# Altium PCB graviton.PcbDoc (part 8 of 15) (continued)
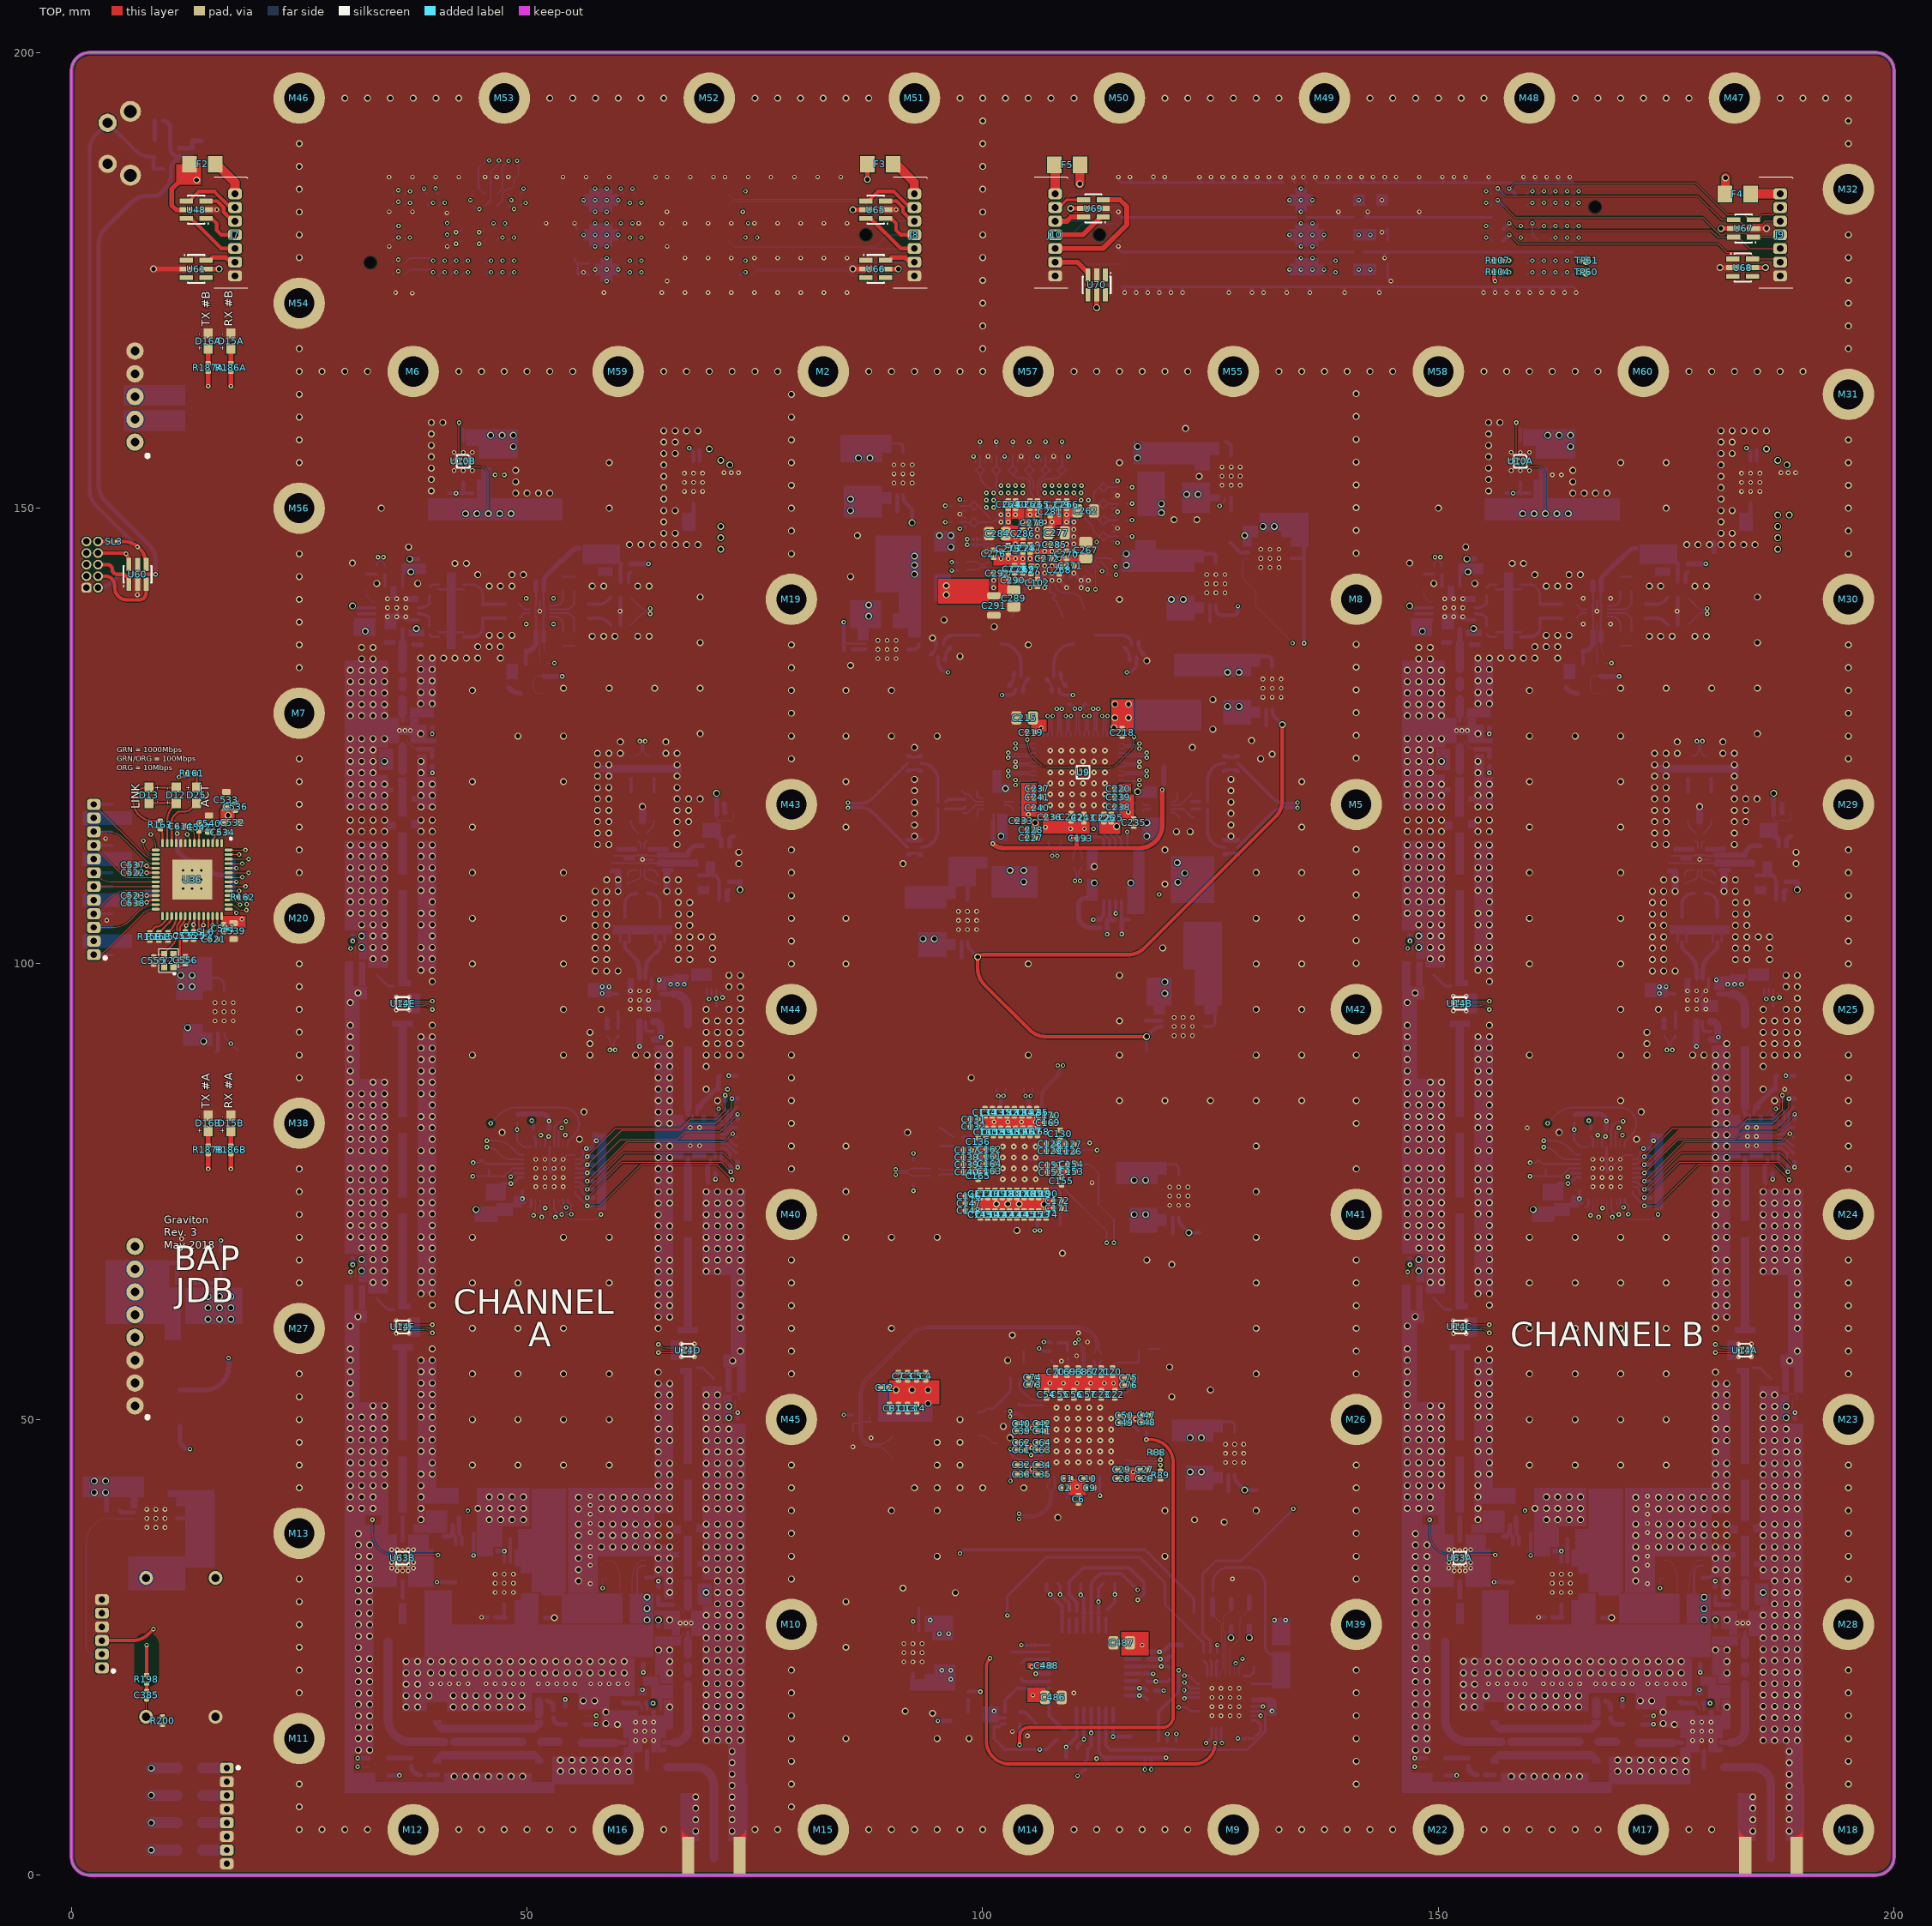
[diagram p0: TOP view]
## Nets (pads, with @x,y where several pads share a name; then routed paths per layer and width w, separated by ;. In a path a pad name is that pad's centre, name@x,y a point inside that pad or via, vN(x,y) a via of type N, cw(c..) or ccw(c..) an arc to the next point about the centre after c; other vN are vias at no path point) (continued)
  TOP w0.178: v2(7.25,140.5) U60.2@7.25,141.675
  TOP w0.51: v1(9,176.25) U61.2@12.625,176.25 ; v1(85.75,176.25) U66.2@87.175,176.25 ; v1(180.9,176.4) U68.2@182.325,176.4 ; U67.2@184.575,180.7 v1(186,180.7)
  TOP w0.55: U48.2@14.775,182.75 v3(15.95,182.75) ; U65.2@89.325,182.75 v3(90.5,182.75)
  BOT w0.102: v3(143.81,180.292) 144.102,180.292
  BOT w0.178: R211.2@98.155,148.959 cw(c98.155,149.575) 97.72,149.139 v2(97.5,149.359) 97.72,149.579 cw(c98.155,149.143) R208.2@98.155,149.759 ; R214.2@100.2,155.045 cw(c100.816,155.045) 100.38,155.48 v2(100.6,155.7) 100.82,155.48 cw(c100.384,155.045) R217.2@101,155.045 ; R202.2@103.8,155.045 cw(c104.416,155.045) 103.98,155.48 v2(104.2,155.7) 104.42,155.48 cw(c103.984,155.045) R205.2@104.6,155.045 ; R226.2@107.4,155.045 cw(c108.016,155.045) 107.58,155.48 v2(107.8,155.7) 108.02,155.48 cw(c107.584,155.045) R229.2@108.2,155.045 ; R235.2@114.145,147.4 ccw(c114.145,148.016) 114.58,147.58 v2(114.8,147.8) 114.58,148.02 ccw(c114.145,147.584) R232.2@114.145,148.2 ; R223.2@114.145,151 ccw(c114.145,151.616) 114.58,151.18 v2(114.8,151.4) 114.58,151.62 ccw(c114.145,151.184) R220.2@114.145,151.8
  BOT w0.2: v2(51.4,138.7) U22B.2@51.4,139.85 ; v6(53.96,78.55) 54.436,79.026 U54B.19@55.32,79.026 ; v2(62.665,111.447) U17B.2@63.815,111.447 ; U2.M13@109.6,142.47 U2.M13@109.645,142.47 ; v2(167.4,138.7) U22A.2@167.4,139.85 ; v6(169.96,78.55) 170.436,79.026 U54A.19@171.32,79.026 ; v2(178.665,111.447) U17A.2@179.815,111.447
  BOT w0.203: 55.212,177.46 55.212,177.168 J4.163@55.555,176.825 ; v3(55.212,181.27) 55.212,180.978 J4.166@55.555,180.635 ; 55.898,175.898 J4.162@55.555,175.555 J4.163@55.555,176.825 ; v3(56.19,175.898) 56.482,175.898 J4.172@56.825,175.555 ; J4.173@56.825,176.825 J4.163@55.555,176.825
  BOT w0.25: U31B.3@40.33,136.39 U31B.7@43.05,136.39 ; U32B.1@40.33,141.11 U32B.9@43.05,141.11 ; U54B.14@52.46,79.91 U54B.37@52.46,77.05 v6(52.96,77.55) v6(53.96,78.55) ; U27B.3@60.235,102.39 60.235,103.25 U27B.13@60.735,103.75 61.235,103.25 U27B.1@61.235,102.39 ; U29B.3@64.095,102.39 64.095,103.25 U29B.13@64.595,103.75 ; U29B.1@65.095,102.39 U29B.13@65.095,103.345 ; U7.49@105.112,78.5 U7.49@106.25,78.5 ; U31A.3@156.33,136.39 U31A.7@159.05,136.39 ; U32A.1@156.33,141.11 U32A.9@159.05,141.11 ; U54A.14@168.46,79.91 U54A.37@168.46,77.05 v6(168.96,77.55) v6(169.96,78.55) ; U27A.3@176.235,102.39 176.235,103.25 U27A.13@176.735,103.75 177.235,103.25 U27A.1@177.235,102.39 ; U29A.3@180.095,102.39 180.095,103.25 U29A.13@180.595,103.75 ; U29A.1@181.095,102.39 U29A.13@181.095,103.345
  BOT w0.254: v3(114.892,178.73) 114.892,178.438 J6.397@115.235,178.095 J6.387@116.505,178.095 J6.377@117.775,178.095 J6.367@119.045,178.095 J6.357@120.315,178.095 J6.347@121.585,178.095 J6.337@122.855,178.095 J6.327@124.125,178.095 J6.317@125.395,178.095 J6.307@126.665,178.095 J6.297@127.935,178.095 J6.287@129.205,178.095 J6.277@130.475,178.095 J6.267@131.745,178.095 J6.257@133.015,178.095 J6.247@134.285,178.095 J6.237@135.555,178.095 J6.227@136.825,178.095 J6.217@138.095,178.095 J6.207@139.365,178.095 J6.197@140.635,178.095 ; v3(114.892,182.54) 114.892,182.248 J6.394@115.235,181.905 J6.384@116.505,181.905 J6.374@117.775,181.905 J6.364@119.045,181.905 J6.354@120.315,181.905 J6.344@121.585,181.905 J6.334@122.855,181.905 J6.324@124.125,181.905 J6.314@125.395,181.905 J6.304@126.665,181.905 J6.294@127.935,181.905 J6.284@129.205,181.905 J6.274@130.475,181.905 J6.264@131.745,181.905 J6.254@133.015,181.905 J6.244@134.285,181.905 ; v3(114.892,186.35) 114.892,186.058 J6.391@115.235,185.715 J6.381@116.162,185.715 ; J6.400@115.225,174.325 115.265,174.285 J6.400@115.578,174.285 ; J6.400@115.235,174.285 115.578,173.942 ; v3(115.578,173.65) 115.578,173.942 ; v3(116.162,186.35) 116.162,186.058 ; v3(116.848,173.65) 116.848,173.942 ; v3(118.118,173.65) 118.118,173.942 ; v3@118.702,186.35 118.702,186.058 ; v3(119.388,173.65) 119.388,173.942 ; v3(119.972,186.35) 119.972,186.058 ; v3(120.658,173.65) 120.658,173.942 ; v3(121.928,173.65) 121.928,173.942 ; v3(123.782,186.35) 123.782,186.058 ; v3(125.052,186.35) 125.052,186.058 ; v3(126.322,186.35) 126.322,186.058 ; v3(127.008,173.65) 127.008,173.942 ; v3(127.592,186.35) 127.592,186.058 ; v3(128.862,186.35) 128.862,186.058 ; v3(129.548,173.65) 129.548,173.942 ; v3(130.132,186.35) 130.132,186.058 ; v3(130.818,173.65) 130.818,173.942 ; v3(131.402,186.35) 131.402,186.058 ; v3(132.672,186.35) 132.672,186.058 ; v3(133.358,173.65) 133.358,173.942 ; v3@133.942,186.35 133.942,186.058 J6.241@134.285,185.715 ; v3@135.212,186.35 135.212,186.058 J6.231@135.555,185.715 ; J6.234@135.555,181.905 J6.224@136.825,181.905 J6.214@138.095,181.905 J6.204@139.022,181.905 ; v3(135.898,173.65) 135.898,173.942 ; v3@136.482,186.35 136.482,186.058 J6.221@136.825,185.715 J6.211@137.752,185.715 ; v3@137.752,186.35 137.752,186.058 ; v3(139.022,182.54) 139.022,182.248 ; v3@139.022,186.35 139.022,186.058 ; 139.032,186.068 139.022,186.058 ; v3(139.708,173.65) 139.708,173.942 ; v3(140.292,186.35) 140.292,186.058 ; J6.194@140.635,181.905 J6.204@139.365,181.905 ; v3(141.562,186.35) 141.562,186.058 ; J6.187@141.905,178.095 J6.177@143.175,178.095 J6.167@144.445,178.095 ; v3(142.248,182.54) 142.248,182.248 ; v3(142.832,186.35) 142.832,186.058 ; v3(143.518,173.65) 143.518,173.942 ; v3(143.81,180.292) 144.102,180.292 J6.165@144.445,180.635 J6.166@144.445,179.365 ; v3(144.102,177.46) 144.102,177.752 ; J6.167@144.102,178.095 144.102,177.752 ; v3@144.102,186.35 144.102,186.058 ; J6.168@144.445,176.825 J6.169@144.445,175.555 144.445,175.263 v3(144.788,174.92) ; v3(145.372,186.35) 145.372,186.058 ; v3(147.912,182.54) 147.912,182.248 ; v3(147.912,186.35) 147.912,186.058 ; v3(150.452,186.35) 150.452,186.058 ; v3(151.722,186.35) 151.722,186.058 ; v3(152.992,186.35) 152.992,186.058 ; v3(154.948,173.65) 154.948,173.942 ; v3(155.532,186.35) 155.532,186.058 ; J6.74@155.875,181.905 J6.134@148.255,181.905 ; v3(156.218,173.65) 156.218,173.942 ; v3(157.488,173.65) 157.488,173.942 ; v3(158.758,173.65) 158.758,173.942 ; v3(159.342,186.35) 159.342,186.058 ; v3(160.028,173.65) 160.028,173.942 ; v3(160.612,186.35) 160.612,186.058 ; v3(161.298,173.65) 161.298,173.942 ; v3(161.882,186.35) 161.882,186.058 ; v3(162.568,173.65) 162.568,173.942 ; v3(163.152,186.35) 163.152,186.058 ; v3(163.838,173.65) 163.838,173.942 ; v3(164.422,186.35) 164.422,186.058 ; J6.1@164.75,185.775 J6.1@164.728,185.753 ; J6.7@164.765,178.095 J6.147@146.985,178.095 J6.157@145.715,178.095 J6.167@144.445,178.095 ; v3(165.108,173.65) 165.108,173.942 J6.10@164.765,174.285 J6.20@163.838,174.285 ; 115.578,173.942 J6.400@115.578,174.285 ; J6.400@115.578,174.285 J6.390@116.505,174.285 ; J6.381@116.162,185.715 116.162,186.058 ; J6.381@116.162,185.715 J6.381@116.505,185.715 ; 116.162,186.058 J6.381@116.505,185.715 ; J6.390@116.505,174.285 116.848,173.942 ; J6.390@116.505,174.285 J6.390@116.848,174.285 ; J6.381@116.505,185.715 J6.371@117.775,185.715 J6.361@118.702,185.715 ; 116.848,173.942 J6.390@116.848,174.285 ; J6.390@116.848,174.285 J6.380@117.775,174.285 ; J6.380@117.775,174.285 118.118,173.942 ; J6.380@117.775,174.285 J6.380@118.118,174.285 ; 118.118,173.942 J6.380@118.118,174.285 ; J6.380@118.118,174.285 J6.370@119.045,174.285 ; J6.361@118.702,185.715 118.702,186.058 ; J6.361@118.702,185.715 J6.361@119.045,185.715 ; 118.702,186.058 J6.361@119.045,185.715 ; J6.370@119.045,174.285 119.388,173.942 ; J6.370@119.045,174.285 J6.370@119.388,174.285 ; J6.361@119.045,185.715 J6.351@119.972,185.715 ; 119.388,173.942 J6.370@119.388,174.285 ; J6.370@119.388,174.285 J6.360@120.315,174.285 ; J6.351@119.972,185.715 119.972,186.058 ; J6.351@119.972,185.715 J6.351@120.315,185.715 ; 119.972,186.058 J6.351@120.315,185.715 ; J6.360@120.315,174.285 120.658,173.942 ; J6.360@120.315,174.285 J6.360@120.658,174.285 ; J6.351@120.315,185.715 J6.341@121.585,185.715 J6.331@122.855,185.715 J6.321@123.782,185.715 ; 120.658,173.942 J6.360@120.658,174.285 ; J6.360@120.658,174.285 J6.350@121.585,174.285 ; J6.350@121.585,174.285 121.928,173.942 ; J6.350@121.585,174.285 J6.350@121.928,174.285 ; 121.928,173.942 J6.350@121.928,174.285 ; J6.350@121.928,174.285 J6.340@122.855,174.285 J6.330@124.125,174.285 J6.320@125.395,174.285 J6.310@126.665,174.285 ; J6.321@123.782,185.715 123.782,186.058 ; J6.321@123.782,185.715 J6.321@124.125,185.715 ; 123.782,186.058 J6.321@124.125,185.715 ; J6.321@124.125,185.715 J6.311@125.052,185.715 ; J6.311@125.052,185.715 125.052,186.058 ; J6.311@125.052,185.715 J6.311@125.395,185.715 ; 125.052,186.058 J6.311@125.395,185.715 ; J6.311@125.395,185.715 J6.301@126.322,185.715 ; J6.301@126.322,185.715 126.322,186.058 ; J6.301@126.322,185.715 J6.301@126.665,185.715 ; 126.322,186.058 J6.301@126.665,185.715 ; J6.310@126.665,174.285 127.008,173.942 ; J6.310@126.665,174.285 J6.310@127.008,174.285 ; J6.301@126.665,185.715 J6.291@127.592,185.715 ; 127.008,173.942 J6.310@127.008,174.285 ; J6.310@127.008,174.285 J6.300@127.935,174.285 J6.290@129.205,174.285 ; J6.291@127.592,185.715 127.592,186.058 ; J6.291@127.592,185.715 J6.291@127.935,185.715 ; 127.592,186.058 J6.291@127.935,185.715 ; J6.291@127.935,185.715 J6.281@128.862,185.715 ; J6.281@128.862,185.715 128.862,186.058 ; J6.281@128.862,185.715 J6.281@129.205,185.715 ; 128.862,186.058 J6.281@129.205,185.715 ; J6.290@129.205,174.285 129.548,173.942 ; J6.290@129.205,174.285 J6.290@129.548,174.285 ; J6.281@129.205,185.715 J6.271@130.132,185.715 ; 129.548,173.942 J6.290@129.548,174.285 ; J6.290@129.548,174.285 J6.280@130.475,174.285 ; J6.271@130.132,185.715 130.132,186.058 ; J6.271@130.132,185.715 J6.271@130.475,185.715 ; 130.132,186.058 J6.271@130.475,185.715 ; J6.280@130.475,174.285 130.818,173.942 ; J6.280@130.475,174.285 J6.280@130.818,174.285 ; J6.271@130.475,185.715 J6.261@131.402,185.715 ; 130.818,173.942 J6.280@130.818,174.285 ; J6.280@130.818,174.285 J6.270@131.745,174.285 J6.260@133.015,174.285 ; J6.261@131.402,185.715 131.402,186.058 ; J6.261@131.402,185.715 J6.261@131.745,185.715 ; 131.402,186.058 J6.261@131.745,185.715 ; J6.261@131.745,185.715 J6.251@132.672,185.715 ; J6.251@132.672,185.715 132.672,186.058 ; J6.251@132.672,185.715 J6.251@133.015,185.715 132.672,186.058 ; J6.260@133.015,174.285 133.358,173.942 ; J6.260@133.015,174.285 J6.260@133.358,174.285 ; 133.358,173.942 J6.260@133.358,174.285 ; J6.260@133.358,174.285 J6.250@134.285,174.285 J6.240@135.555,174.285 ; J6.240@135.555,174.285 135.898,173.942 ; J6.240@135.555,174.285 J6.240@135.898,174.285 ; 135.898,173.942 J6.240@135.898,174.285 ; J6.240@135.898,174.285 J6.230@136.825,174.285 J6.220@138.095,174.285 J6.210@139.365,174.285 ; J6.211@137.752,185.715 137.752,186.058 ; J6.211@137.752,185.715 J6.211@138.095,185.715 ; 137.752,186.058 J6.211@138.095,185.715 ; J6.211@138.095,185.715 J6.201@139.022,185.715 ; J6.204@139.022,181.905 139.022,182.248 ; J6.204@139.022,181.905 J6.204@139.365,181.905 ; 139.022,182.248 J6.204@139.365,181.905 ; J6.201@139.022,185.715 139.022,186.058 ; J6.201@139.022,185.715 J6.201@139.365,185.715 ; 139.022,186.058 J6.201@139.365,185.715 ; J6.210@139.365,174.285 139.708,173.942 ; J6.210@139.365,174.285 J6.210@139.708,174.285 ; J6.201@139.365,185.715 J6.191@140.292,185.715 ; 139.708,173.942 J6.210@139.708,174.285 ; J6.210@139.708,174.285 J6.200@140.635,174.285 J6.190@141.905,174.285 J6.180@143.175,174.285 ; J6.191@140.292,185.715 140.292,186.058 ; J6.191@140.292,185.715 J6.191@140.635,185.715 ; 140.292,186.058 J6.191@140.635,185.715 ; J6.191@140.635,185.715 J6.181@141.562,185.715 ; J6.181@141.562,185.715 141.562,186.058 ; J6.181@141.562,185.715 J6.181@141.905,185.715 ; 141.562,186.058 J6.181@141.905,185.715 ; J6.181@141.905,185.715 J6.171@142.832,185.715 ; J6.184@142.248,181.905 142.248,182.248 ; J6.184@142.248,181.905 J6.184@141.905,181.905 142.248,182.248 ; J6.184@142.248,181.905 J6.174@143.175,181.905 J6.164@144.445,181.905 J6.154@145.715,181.905 146.642,181.905 J6.134@147.912,181.905 ; J6.171@142.832,185.715 142.832,186.058 ; J6.171@142.832,185.715 J6.171@143.175,185.715 ; 142.832,186.058 J6.171@143.175,185.715 ; J6.180@143.175,174.285 143.518,173.942 ; J6.180@143.175,174.285 J6.180@143.518,174.285 ; J6.171@143.175,185.715 J6.161@144.102,185.715 ; 143.518,173.942 J6.180@143.518,174.285 ; J6.180@143.518,174.285 J6.170@144.445,174.285 J6.160@145.715,174.285 J6.150@146.985,174.285 J6.140@148.255,174.285 J6.130@149.525,174.285 J6.120@150.795,174.285 J6.110@152.065,174.285 J6.100@153.335,174.285 J6.90@154.605,174.285 ; 144.102,177.752 J6.167@144.445,178.095 ; J6.161@144.102,185.715 144.102,186.058 ; J6.161@144.102,185.715 J6.161@144.445,185.715 ; 144.102,186.058 J6.161@144.445,185.715 ; J6.161@144.445,185.715 J6.151@145.372,185.715 ; J6.151@145.372,185.715 145.372,186.058 ; J6.151@145.372,185.715 J6.151@145.715,185.715 ; 145.372,186.058 J6.151@145.715,185.715 ; J6.151@145.715,185.715 J6.141@146.985,185.715 J6.131@147.912,185.715 ; J6.134@147.912,181.905 147.912,182.248 ; J6.134@147.912,181.905 J6.134@148.255,181.905 ; 147.912,182.248 J6.134@148.255,181.905 ; J6.131@147.912,185.715 147.912,186.058 ; J6.131@147.912,185.715 J6.131@148.255,185.715 ; 147.912,186.058 J6.131@148.255,185.715 ; J6.131@148.255,185.715 J6.121@149.525,185.715 J6.111@150.452,185.715 ; J6.111@150.452,185.715 150.452,186.058 ; J6.111@150.452,185.715 J6.111@150.795,185.715 ; 150.452,186.058 J6.111@150.795,185.715 ; J6.111@150.795,185.715 J6.101@151.722,185.715 ; J6.101@151.722,185.715 151.722,186.058 ; J6.101@151.722,185.715 J6.101@152.065,185.715 ; 151.722,186.058 J6.101@152.065,185.715 ; J6.101@152.065,185.715 J6.91@152.992,185.715 ; J6.91@152.992,185.715 152.992,186.058 ; J6.91@152.992,185.715 J6.91@153.335,185.715 ; 152.992,186.058 J6.91@153.335,185.715 ; J6.91@153.335,185.715 J6.81@154.605,185.715 J6.71@155.532,185.715 ; J6.90@154.605,174.285 154.948,173.942 ; J6.90@154.605,174.285 J6.90@154.948,174.285 ; 154.948,173.942 J6.90@154.948,174.285 ; J6.90@154.948,174.285 J6.80@155.875,174.285 ; J6.71@155.532,185.715 155.532,186.058 ; J6.71@155.532,185.715 J6.71@155.875,185.715 ; 155.532,186.058 J6.71@155.875,185.715 ; J6.80@155.875,174.285 156.218,173.942 ; J6.80@155.875,174.285 J6.80@156.218,174.285 ; J6.71@155.875,185.715 J6.61@157.145,185.715 J6.51@158.415,185.715 J6.41@159.342,185.715 ; 156.218,173.942 J6.80@156.218,174.285 ; J6.80@156.218,174.285 J6.70@157.145,174.285 ; J6.70@157.145,174.285 157.488,173.942 ; J6.70@157.145,174.285 J6.70@157.488,174.285 ; 157.488,173.942 J6.70@157.488,174.285 ; J6.70@157.488,174.285 J6.60@158.415,174.285 ; J6.60@158.415,174.285 158.758,173.942 ; J6.60@158.415,174.285 J6.60@158.758,174.285 ; 158.758,173.942 J6.60@158.758,174.285 ; J6.60@158.758,174.285 J6.50@159.685,174.285 ; J6.41@159.342,185.715 159.342,186.058 ; J6.41@159.342,185.715 J6.41@159.685,185.715 ; 159.342,186.058 J6.41@159.685,185.715 ; J6.50@159.685,174.285 160.028,173.942 ; J6.50@159.685,174.285 J6.50@160.028,174.285 ; J6.41@159.685,185.715 J6.31@160.612,185.715 ; 160.028,173.942 J6.50@160.028,174.285 ; J6.50@160.028,174.285 J6.40@160.955,174.285 ; J6.31@160.612,185.715 160.612,186.058 ; J6.31@160.612,185.715 J6.31@160.955,185.715 ; 160.612,186.058 J6.31@160.955,185.715 ; J6.40@160.955,174.285 161.298,173.942 ; J6.40@160.955,174.285 J6.40@161.298,174.285 ; J6.31@160.955,185.715 J6.21@161.882,185.715 ; 161.298,173.942 J6.40@161.298,174.285 ; J6.40@161.298,174.285 J6.30@162.225,174.285 ; J6.21@161.882,185.715 161.882,186.058 ; J6.21@161.882,185.715 J6.21@162.225,185.715 ; 161.882,186.058 J6.21@162.225,185.715 ; J6.30@162.225,174.285 162.568,173.942 ; J6.30@162.225,174.285 J6.30@162.568,174.285 ; J6.21@162.225,185.715 J6.11@163.152,185.715 ; 162.568,173.942 J6.30@162.568,174.285 ; J6.30@162.568,174.285 J6.20@163.495,174.285 ; J6.11@163.152,185.715 163.152,186.058 ; J6.11@163.152,185.715 J6.11@163.495,185.715 ; 163.152,186.058 J6.11@163.495,185.715 ; J6.20@163.495,174.285 163.838,173.942 ; J6.20@163.495,174.285 J6.20@163.838,174.285 ; J6.11@163.495,185.715 J6.1@164.422,185.715 ; 163.838,173.942 J6.20@163.838,174.285 ; J6.1@164.422,185.715 164.422,186.058 ; J6.1@164.422,185.715 164.69,185.715 J6.1@164.727,185.752 ; 164.422,186.058 J6.1@164.727,185.752 ; J6.1@164.728,185.753 J6.1@164.765,185.715 J6.1@164.727,185.752
  BOT w0.3: U15B.19@68.15,83.45 68.15,81.8 ccw(c68.9,81.8) U15B.33@68.9,81.05 ; U15B.1@70.65,78.65 70.65,79.3 U15B.33@68.9,81.05 ; U15B.24@70.65,83.45 70.65,82.8 ; U15B.25@71.3,82.8 70.65,82.8 ; U15A.19@184.15,83.45 184.15,81.8 ccw(c184.9,81.8) U15A.33@184.9,81.05 ; U15A.1@186.65,78.65 186.65,79.3 U15A.33@184.9,81.05 ; U15A.24@186.65,83.45 186.65,82.8 ; U15A.25@187.3,82.8 186.65,82.8 ; U15B.33@68.9,81.05 ccw(c68.9,81.3) U15B.33@69.15,81.3 ; U15B.33@68.9,81.05 U15B.33@69.15,81.3 ; U15B.33@69.15,81.3 70.65,82.8 ; U15A.33@184.9,81.05 ccw(c184.9,81.3) U15A.33@185.15,81.3 ; U15A.33@184.9,81.05 U15A.33@185.15,81.3 ; U15A.33@185.15,81.3 186.65,82.8
  BOT w0.32: v2(35.69,139.075) ccw(c36.99,139.075) 36.99,137.775 U30B.20@38.05,137.775 ; v2(62.34,96.04) v2(63.34,97.04) 63.64,97.34 U28B.20@63.64,98.4 ; v2(151.69,139.075) ccw(c152.99,139.075) 152.99,137.775 U30A.20@154.05,137.775 ; v2(178.34,96.04) v2(179.34,97.04) 179.64,97.34 U28A.20@179.64,98.4
  BOT w0.4: U23.4@12.1,68.475 v2(12.1,69.85) ; FL4B.2@60.275,137.2 FL3B.2@60.275,140.2 ; FL2B.2@61.395,121.447 FL1B.2@63.935,121.447 ; U3B.4@63.025,32.65 63.488,32.65 ccw(c63.488,33.862) 64.345,33.005 ; v2(100.4,145.27) U2.A10@100.8,144.87 ; U2.A14@100.8,141.67 v2(101.2,141.27) ; v2(101.2,142.07) U2.B13@101.6,142.47 ; v2(102,148.47) U2.C6@102.4,148.07 U2.C7@102.4,147.27 ; v2(102,149.27) U2.C5@102.4,148.87 ; U2.C10@102.4,144.87 v2(102,145.27) U2.C9@102.4,145.67 U2.C8@102.4,146.47 U2.D8@103.2,146.47 ; U2.E8@104,146.47 U2.F8@104.8,146.47 v2(105.2,146.87) ; v2(104.4,142.07) U2.F13@104.8,142.47 ; U2.F9@104.8,145.67 U2.G9@105.6,145.67 v2(106,146.07) U2.H9@106.4,145.67 ; U2.F7@104.8,147.27 v2(105.2,146.87) ; U2.F6@104.8,148.07 v2(105.2,147.67) ; v2(105.2,141.27) U2.G14@105.6,141.67 v2(105.2,142.07) ; U2.G8@105.6,146.47 v2(105.2,146.87) ; U2.G7@105.6,147.27 v2(106,147.67) U2.G6@105.6,148.07 ; U2.H13@106.4,142.47 v2(106.8,142.87) ; U2.H8@106.4,146.47 v2(106,146.87) U2.H7@106.4,147.27 ; U2.H6@106.4,148.07 v2(106.8,148.47) U2.J6@107.2,148.07 ; v2(106.8,141.27) U2.H14@106.4,141.67 v2(106.8,142.07) ; v2(106.8,143.67) U2.J12@107.2,143.27 ; U2.J7@107.2,147.27 U2.J8@107.2,146.47 v2(106.8,146.07) U2.J9@107.2,145.67 U2.K8@108,146.47 ; v2(107.6,142.07) U2.J13@107.2,142.47 v2(107.6,142.87) U2.K13@108,142.47 ; U2.L13@108.8,142.47 v2(108.4,142.07) U2.L14@108.8,141.67 v2(109.2,141.27) ; U2.L8@108.8,146.47 U2.M7@109.6,147.27 v2(110,146.87) ; U2.M13@109.6,142.47 v2(110,142.87) ; U2.M12@109.6,143.27 v2(110,142.87) ; U2.M11@109.6,144.07 U2.M10@109.6,144.87 v2(110,145.27) U2.M9@109.6,145.67 ; U2.M8@109.6,146.47 v2(110,146.07) ; U2.M6@109.6,148.07 v2(110,147.67) ; U2.M5@109.6,148.87 v2(110,148.47) ; U2.N13@110.4,142.47 v2(110,142.87) ; v2(110.8,141.27) U2.P14@111.2,141.67 ; U2.P13@111.2,142.47 v2(110.8,142.07) U2.P14@111.2,141.67 ; v2(111.6,142.07) U2.P14@111.2,141.67 ; FL4A.2@176.275,137.2 FL3A.2@176.275,140.2 ; FL2A.2@177.395,121.447 FL1A.2@179.935,121.447 ; U3A.4@179.025,32.65 179.488,32.65 ccw(c179.488,33.862) 180.345,33.005
  BOT w0.51: 34.5,135.25 C377B.1@35.32,135.25 ; v2(45,28.3) R255B.1@45.655,28.3 ; C500B.1@51.985,28.25 v1(53,28.25) ; C113B.1@59.325,110.17 C110B.1@60.125,110.17 ; C111B.1@65.025,110.27 C112B.1@65.825,110.27 ; 150.5,135.25 C377A.1@151.32,135.25 ; v2(161,28.3) R255A.1@161.655,28.3 ; C500A.1@167.985,28.25 v1(169,28.25) ; C113A.1@175.325,110.17 C110A.1@176.125,110.17 ; C111A.1@181.025,110.27 C112A.1@181.825,110.27
  BOT w0.52: C100B.1@71.655,117.575 71.655,116.744 ccw(c71.894,116.744) U16B.2@71.725,116.575 ; C100A.1@187.655,117.575 187.655,116.744 ccw(c187.894,116.744) U16A.2@187.725,116.575
  BOT w0.54: C371B.1@37.575,135.02 C370B.1@38.375,135.02 ; C371A.1@153.575,135.02 C370A.1@154.375,135.02
  BOT w0.75: v1(59.985,107.971) v1(59.985,109.221) C110B.1@59.985,109.975 ; v1(65.345,107.971) v1(65.345,109.221) 65.345,109.975 ; v1(175.985,107.971) v1(175.985,109.221) C110A.1@175.985,109.975 ; v1(181.345,107.971) v1(181.345,109.221) 181.345,109.975
  BOT w0.76: T1B.2@62.665,115.657 v1(62.665,117.25) ; T1A.2@178.665,115.657 v1(178.665,117.25)